# Altium PCB Core429IBaseBoardVerE.PcbDoc (part 2 of 2) (continued)
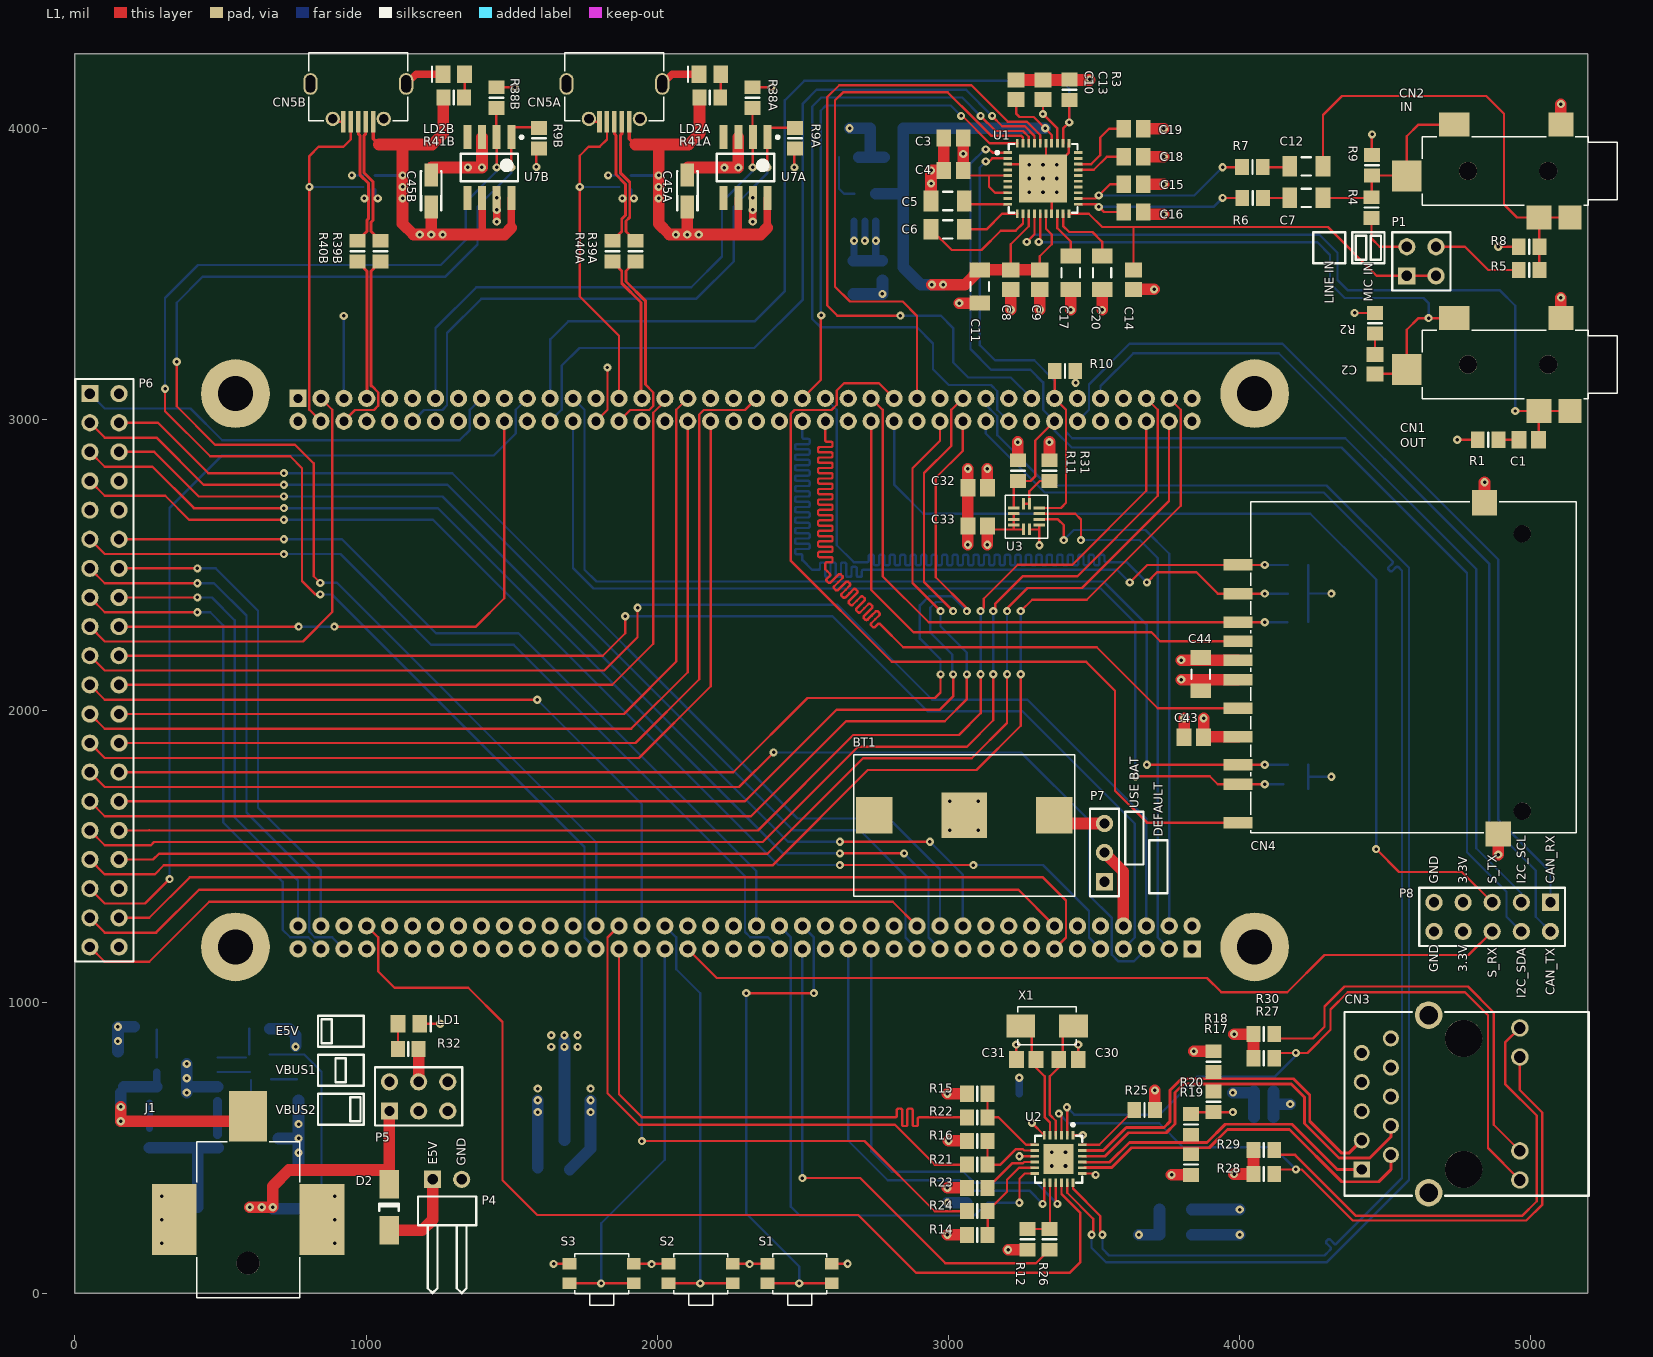
[diagram p0: L1 view]
## Nets (pads, with @x,y where several pads share a name; then routed paths per layer and width w, separated by ;. In a path a pad name is that pad's centre, name@x,y a point inside that pad or via, vN(x,y) a via of type N, cw(c..) or ccw(c..) an arc to the next point about the centre after c; other vN are vias at no path point) (continued)
PC12: CN4.5 P3.48 | length 3747.2
  L1 w8: P3.48@2576.77,2994.49 2576.77,2933.07 2576.77,2929.47 ccw(c2582.17,2929.47) 2582.17,2924.07 2596.37,2924.07 cw(c2596.37,2918.67) 2601.77,2918.67 2601.77,2911.47 cw(c2596.37,2911.47) 2596.37,2906.07 2576.77,2906.07 2557.17,2906.07 ccw(c2557.17,2900.67) 2551.77,2900.67 2551.77,2893.47 ccw(c2557.17,2893.47) 2557.17,2888.07 2576.77,2888.07 2596.37,2888.07 cw(c2596.37,2882.67) 2601.77,2882.67 2601.77,2875.47 cw(c2596.37,2875.47) 2596.37,2870.07 2576.77,2870.07 2557.17,2870.07 ccw(c2557.17,2864.67) 2551.77,2864.67 2551.77,2857.47 ccw(c2557.17,2857.47) 2557.17,2852.07 2576.77,2852.07 2596.37,2852.07 cw(c2596.37,2846.67) 2601.77,2846.67 2601.77,2839.47 cw(c2596.37,2839.47) 2596.37,2834.07 2576.77,2834.07 2557.17,2834.07 ccw(c2557.17,2828.67) 2551.77,2828.67 2551.77,2821.47 ccw(c2557.17,2821.47) 2557.17,2816.07 2576.77,2816.07 2596.37,2816.07 cw(c2596.37,2810.67) 2601.77,2810.67 2601.77,2803.47 cw(c2596.37,2803.47) 2596.37,2798.07 2576.77,2798.07 2557.17,2798.07 ccw(c2557.17,2792.67) 2551.77,2792.67 2551.77,2785.47 ccw(c2557.17,2785.47) 2557.17,2780.07 2576.77,2780.07 2596.37,2780.07 cw(c2596.37,2774.67) 2601.77,2774.67 2601.77,2767.47 cw(c2596.37,2767.47) 2596.37,2762.07 2576.77,2762.07 2557.17,2762.07 ccw(c2557.17,2756.67) 2551.77,2756.67 2551.77,2749.47 ccw(c2557.17,2749.47) 2557.17,2744.07 2576.77,2744.07 2596.37,2744.07 cw(c2596.37,2738.67) 2601.77,2738.67 2601.77,2731.47 cw(c2596.37,2731.47) 2596.37,2726.07 2576.77,2726.07 2557.17,2726.07 ccw(c2557.17,2720.67) 2551.77,2720.67 2551.77,2713.47 ccw(c2557.17,2713.47) 2557.17,2708.07 2576.77,2708.07 2596.37,2708.07 cw(c2596.37,2702.67) 2601.77,2702.67 2601.77,2695.47 cw(c2596.37,2695.47) 2596.37,2690.07 2576.77,2690.07 2557.17,2690.07 ccw(c2557.17,2684.67) 2551.77,2684.67 2551.77,2677.47 ccw(c2557.17,2677.47) 2557.17,2672.07 2576.77,2672.07 2596.37,2672.07 cw(c2596.37,2666.67) 2601.77,2666.67 2601.77,2659.47 cw(c2596.37,2659.47) 2596.37,2654.07 2576.77,2654.07 2557.17,2654.07 ccw(c2557.17,2648.67) 2551.77,2648.67 2551.77,2641.47 ccw(c2557.17,2641.47) 2557.17,2636.07 2576.77,2636.07 2596.37,2636.07 cw(c2596.37,2630.67) 2601.77,2630.67 2601.77,2623.47 cw(c2596.37,2623.47) 2596.37,2618.07 2576.77,2618.07 2557.17,2618.07 ccw(c2557.17,2612.67) 2551.77,2612.67 2551.77,2605.47 ccw(c2557.17,2605.47) 2557.17,2600.07 2576.77,2600.07 2596.37,2600.07 cw(c2596.37,2594.67) 2601.77,2594.67 2601.77,2587.47 cw(c2596.37,2587.47) 2596.37,2582.07 2576.77,2582.07 2557.17,2582.07 ccw(c2557.17,2576.67) 2551.77,2576.67 2551.77,2569.47 ccw(c2557.17,2569.47) 2557.17,2564.07 2576.77,2564.07 2596.37,2564.07 cw(c2596.37,2558.67) 2601.77,2558.67 2601.77,2551.47 cw(c2596.37,2551.47) 2596.37,2546.07 2576.77,2546.07 2557.17,2546.07 ccw(c2557.17,2540.67) 2551.77,2540.67 2551.77,2533.47 ccw(c2557.17,2533.47) 2557.17,2528.07 2576.77,2528.07 2596.37,2528.07 cw(c2596.37,2522.67) 2601.77,2522.67 2601.77,2515.47 cw(c2596.37,2515.47) 2596.37,2510.07 2582.17,2510.07 ccw(c2582.17,2504.67) 2576.77,2504.67 2576.77,2492.07 2576.77,2486.22 2583.14,2479.86 2592.05,2470.95 cw(c2588.23,2467.13) 2592.05,2463.31 2582,2453.27 ccw(c2585.82,2449.45) 2582,2445.63 2587.1,2440.54 ccw(c2590.91,2444.36) 2594.73,2440.54 2608.59,2454.4 2622.45,2468.26 cw(c2626.27,2464.44) 2630.09,2468.26 2635.18,2463.17 cw(c2631.36,2459.35) 2635.18,2455.53 2621.32,2441.67 2607.46,2427.81 ccw(c2611.28,2423.99) 2607.46,2420.18 2612.55,2415.09 ccw(c2616.37,2418.9) 2620.19,2415.09 2634.05,2428.94 2647.91,2442.8 cw(c2651.72,2438.99) 2655.54,2442.8 2660.63,2437.71 cw(c2656.82,2433.89) 2660.63,2430.08 2646.78,2416.22 2632.92,2402.36 ccw(c2636.73,2398.54) 2632.92,2394.72 2638.01,2389.63 ccw(c2641.83,2393.45) 2645.64,2389.63 2659.5,2403.49 2673.36,2417.35 cw(c2677.18,2413.53) 2681,2417.35 2686.09,2412.26 cw(c2682.27,2408.44) 2686.09,2404.62 2672.23,2390.76 2658.37,2376.9 ccw(c2662.19,2373.08) 2658.37,2369.26 2663.46,2364.17 ccw(c2667.28,2367.99) 2671.1,2364.17 2684.96,2378.03 2698.82,2391.89 cw(c2702.64,2388.07) 2706.45,2391.89 2711.55,2386.8 cw(c2707.73,2382.98) 2711.55,2379.16 2697.69,2365.3 2683.83,2351.45 ccw(c2687.65,2347.63) 2683.83,2343.81 2688.92,2338.72 ccw(c2692.74,2342.54) 2696.56,2338.72 2710.41,2352.58 2724.27,2366.44 cw(c2728.09,2362.62) 2731.91,2366.44 2737,2361.35 cw(c2733.18,2357.53) 2737,2353.71 2723.14,2339.85 2709.28,2325.99 ccw(c2713.1,2322.17) 2709.28,2318.35 2714.37,2313.26 ccw(c2718.19,2317.08) 2722.01,2313.26 2735.87,2327.12 2749.73,2340.98 cw(c2753.55,2337.16) 2757.37,2340.98 2762.46,2335.89 cw(c2758.64,2332.07) 2762.46,2328.25 2748.6,2314.39 2734.74,2300.53 ccw(c2738.56,2296.72) 2734.74,2292.9 2739.83,2287.81 ccw(c2743.65,2291.62) 2747.47,2287.81 2757.51,2297.85 cw(c2761.33,2294.03) 2765.14,2297.85 2769.68,2293.31 2844.49,2218.5 3508.92,2218.5 3718.5,2008.92 CN4.5@3994.11,2008.92
PC13: P2.10
PC14: P2.11
PC15: P2.12
PD0: P3.49
PD1: P3.50
PD2: CN4.3 P3.51 R35.1 | length 2083.1
  L1 w8: P3.51@2734.25,3073.23 2773.62,3033.86 2773.62,2462.6 2932.09,2304.13 CN4.3@3994.11,2304.13 ; CN4.3@3994.11,2304.2 v1(4085.65,2304.2)
  L4 w8: v1(4085.65,2304.2) R35.1@4164.14,2304.2
PD3: CN4.9 P3.52 | length 1911.9
  L1 w8: P3.52@2734.25,2994.49 2734.25,2415.35 2879.92,2269.69 3696.85,2269.69 3727.3,2239.24 CN4.9@3994.11,2239.24
PD4: CN4.10 P3.53 | length 3062.5
  L1 w8: P3.53@2812.99,3073.23 2761.22,3125 2640.75,3125 2616.14,3100.39 2616.14,3051.18 2598.43,3033.46 2471.46,3033.46 2458.66,3020.67 2458.66,2514.76 2805.12,2168.31 3472.44,2168.31 3571.85,2068.9 3571.85,1725.46 3681.1,1616.21 CN4.10@3994.11,1616.21
PD5: P3.54 P8.5 | length 3407.2
  L1 w8: v1(4468.5,1525.59) 4547.24,1446.85 4762.6,1446.85 P8.5@4866.93,1342.52
  L4 w8: P3.54@2812.99,2994.49 2812.99,2777.56 2913.39,2677.17 4242.13,2677.17 4468.5,2450.79 v1(4468.5,1525.59)
PD7: P3.56
PD8: P3.8
PD9: P3.9
PD10: P3.10
PD11: P3.11
PD14: P3.14
PD15: P3.15
PDR_ON: P3.74
PE0: P3.72
PE1: P3.73
PE7: P2.64
PE8: P2.63
PE9: P2.66
PE10: P2.65
PE11: P2.68
PE12: P2.67
PE13: P2.70
PE14: P2.69
PE15: P2.72
PF0: P2.16
PF1: P2.17
PF2: P2.18
PF3: P2.19
PF4: P2.20
PF5: P2.21
PF6: P2.22 P6.6 | length 3675.4
  L1 w8: P6.6@151.18,2889.37 272,2889.37 425.08,2736.28 v1(717.52,2736.28) ; v1(2626.97,1550.47) v1(2936.04,1550.47)
  L4 w8: v1(717.52,2736.28) 1262.68,2736.28 2448.49,1550.47 v1(2626.97,1550.47) ; v1(2936.04,1550.47) 3049.21,1437.3 P2.22@3049.21,1261.42
PF7: P2.23 P6.5 | length 3746.2
  L1 w8: P6.5@51.18,2889.37 102.17,2838.39 266.41,2838.39 408.51,2696.28 v1(717.52,2696.28) ; v1(2626.97,1510.47) v1(2847.44,1510.47)
  L4 w8: v1(717.52,2696.28) 1246.11,2696.28 2431.92,1510.47 v1(2626.97,1510.47) ; v1(2847.44,1510.47) 2931.1,1426.81 2931.1,1222.05 P2.23@2970.47,1182.68
PF8: P2.24 P6.4 | length 3648.8
  L1 w8: P6.4@151.18,2989.37 285.13,2989.37 458.22,2816.28 v1(717.52,2816.28)
  L4 w8: v1(717.52,2816.28) 1295.82,2816.28 2481.63,1630.47 2795.71,1630.47 2970.47,1455.71 P2.24@2970.47,1261.42
PF9: P2.25 P6.3 | length 3712.5
  L1 w8: P6.3@51.18,2989.37 102.17,2938.39 279.55,2938.39 441.65,2776.28 v1(717.52,2776.28)
  L4 w8: v1(717.52,2776.28) 1279.25,2776.28 2465.06,1590.47 2694.96,1590.47 2852.36,1433.07 2852.36,1222.05 P2.25@2891.73,1182.68
PF11: P2.55
PF12: P2.58
PF13: P2.57
PF14: P2.60
PF15: P2.59
PG0: P2.62
PG1: P2.61
PG2: P3.16
PG3: P3.17 P6.1 | length 1511.1
  L4 w8: P6.1@51.18,3089.37 102.17,3038.39 396.65,3038.39 505.91,2929.13 1320.87,2929.13 1356.3,2964.57 1356.3,3033.86 P3.17@1395.67,3073.23
PG4: P3.18
PG5: P3.19
PG8: P3.22
PG9: P3.57
PG13: P3.61 U2.17 | length 5308.6
  L1 w8: U2.17@3407.48,378.94 3407.48,345.05 3497.05,255.49 v1@3497.05,206.69
  L4 w8: P3.61@3126.68,3051.88 3167.18,3011.37 3167.18,2946.99 3340.17,2774 4298.33,2774 4581.09,2491.23 4581.09,389.05 4297.97,105.92 3541.24,105.92 3491.14,156.02 v1(3491.14,200.79)
PG14: P3.62 U2.18 | length 5260.1
  L1 w8: U2.18@3427.17,378.94 3427.17,359.31 3521.05,265.43 v1@3521.05,208.28
  L4 w8: P3.62@3127.95,2994.49 3127.95,2952.28 3330.23,2750 4288.39,2750 4523.13,2515.26 4524.33,2514.05 cw(c4520.52,2510.23) 4524.33,2506.42 4510.76,2492.84 ccw(c4514.58,2489.02) 4510.76,2485.2 4515.85,2480.11 ccw(c4519.67,2483.93) 4523.49,2480.11 4537.06,2493.69 cw(c4540.88,2489.87) 4544.7,2493.69 4547.24,2491.14 4557.09,2481.29 4557.09,395.68 4330.71,169.29 cw(c4328.15,171.85) 4325.59,169.29 4310.75,184.12 ccw(c4306.93,180.31) 4303.12,184.12 4298.02,179.03 ccw(c4301.84,175.21) 4298.02,171.4 4311.6,157.82 cw(c4307.78,154) 4311.6,150.18 4309.06,147.64 4291.34,129.92 3551.18,129.92 3528.54,152.56 v1(3528.54,200.79)
PG15: P3.63
PH0: P2.27
PH1: P2.28
PH4: P2.43
PH5: P2.46
PH6: P2.73
PH7: P2.76
PH13: P3.34
PI3: P3.43
PI11: P2.15
RD_N: CN3.4 R17.1 U2.22 | length 1451.4
  L1 w10: U2.22@3459.65,470.47 3537.27,470.47 3617.98,551.18 3747.61,551.18 3777.84,581.41 3777.84,688.98 3807.37,718.5 4177.03,718.5 4222.44,673.09 4222.44,583.1 4341.25,464.28 4446.43,464.28 4518.94,536.79 CN3.4@4518.94,575.12
RD_P: CN3.3 R18.1 U2.23 | length 1300.1
  L1 w10: U2.23@3459.65,490.16 3531.5,490.16 3610.52,569.18 3740.16,569.18 3759.84,588.87 3759.84,696.43 3799.91,736.5 4184.49,736.5 4240.44,680.55 4240.44,590.55 4348.71,482.28 4376.1,482.28 CN3.3@4418.94,525.12
TD_N: CN3.2 R19.1 U2.20 | length 1250.7
  L1 w10: U2.20@3464.57,431.94 3560.61,431.94 3628.38,499.72 3895.25,499.72 3957.85,562.31 4170.99,562.31 4350.53,382.78 4477.26,382.78 4518.94,424.45 CN3.2@4518.94,475.12
TD_P: CN3.1 R20.1 U2.21 | length 1072.7
  L1 w10: U2.21@3464.57,449.94 3553.15,449.94 3620.92,517.72 3887.8,517.72 3950.39,580.31 4179.41,580.31 4334.61,425.12 CN3.1@4418.94,425.12
USB_FSA_N: CN5A.2 D3A.1 R39A.1 | length 477.3
  L1 w10: CN5A.2@1878.09,4023.1 1878.09,3981.68 1872.8,3976.39 1872.8,3847.89 1905.08,3815.61 1905.08,3694.89 1892.8,3682.61 1892.8,3646.66 R39A.1@1925.3,3614.16
  L4 w10: D3A.1@1909.76,3790.1 1909.76,3769.37 v1(1919.29,3759.84)
USB_FSA_P: CN5A.3 D3A.2 R40A.1 | length 477.5
  L1 w10: R40A.1@1845.3,3614.16 1877.8,3646.66 1877.8,3688.82 1890.08,3701.1 1890.08,3809.39 1857.8,3841.67 1857.8,3976.39 1852.5,3981.68 CN5A.3@1852.5,4023.1
  L4 w10: v1(1879.92,3759.84) 1890.08,3770 D3A.2@1890.08,3790.1
USB_FSB_N: CN5B.2 D3B.1 R39B.1 | length 474
  L1 w10: CN5B.2@998.57,4023.1 998.57,3981.68 993.27,3976.39 993.27,3847.56 1023.62,3817.21 1023.62,3684.73 1017.33,3678.44 1017.33,3646.66 R39B.1@1049.83,3614.16
  L4 w10: D3B.1@1030.24,3790.1 1030.24,3769.37 v1(1039.76,3759.84)
USB_FSB_P: CN5B.3 D3B.2 R40B.1 | length 473.3
  L1 w10: R40B.1@969.83,3614.16 1002.33,3646.66 1002.33,3684.65 1008.62,3690.94 1008.62,3811 978.27,3841.35 978.27,3976.39 972.98,3981.68 CN5B.3@972.98,4023.1
  L4 w10: v1@1001.02,3760.47 1010.55,3770 D3B.2@1010.55,3790.1
  other v1: 994.09,3759.84
VBAT: P2.8 P7.2 | length 278.9
  L1 w40: P7.2@3535.43,1513.39 3600.39,1448.43 P2.8@3600.39,1261.42
VREF+: P2.34
pads on no net: CN1. CN2. CN3.7 CN3.8 CN3.9 CN3.10 CN3.MH1 CN3.MH2 CN4. D3A.5 D3B.5 J1. P6.9 P6.10 P6.36 U1.4 U1.6 U1.7 U1.9 U1.23 U1.24 U1.25 U1.26 U1.29 U1.30 U7A.4 U7A.5 U7B.4 U7B.5

## Polygon pours and split planes (outlines as drawn)
DGND on L2 (split plane): 5174.39,20.1 20.1,20.1 20.1,4235.81 5174.39,4235.81
OTG_FS_VBUS1 on L3 (split plane): 2194.41,3153.06 689.54,3153.06 688,3152.75 686.7,3151.88 685.83,3150.58 685.52,3149.04 685.52,1106.72 685.83,1105.18 686.7,1103.88 688,1103.01 689.54,1102.71 1524.89,1102.71 1524.89,482.92 1134.5,482.92 1134.5,676.09 1226.36,676.09 1226.36,571.11 1226.67,569.58 1227.54,568.28 1228.84,567.41 1230.37,567.1 1426.92,567.1 1428.45,567.41 1429.76,568.28 1430.63,569.58 1430.93,571.11 1430.93,994.09 1430.63,995.63 1429.76,996.93 1428.45,997.8 1426.92,998.11 397.71,998.11 397.71,3322.76 1726.52,3322.76 1728.06,3323.06 1729.36,3323.93 1730.23,3325.24 1730.53,3326.77 1730.53,3903.47 2194.41,3903.47
OTG_FS_VBUS2 on L3 (split plane): 1314.35,3330.79 393.7,3330.79 392.16,3330.48 390.86,3329.61 389.99,3328.31 389.69,3326.77 389.69,994.09 389.99,992.56 390.86,991.26 392.16,990.39 393.7,990.08 1422.9,990.08 1422.9,575.13 1234.39,575.13 1234.39,676.09 1329.73,676.09 1331.27,676.39 1332.57,677.26 1333.44,678.56 1333.74,680.1 1333.74,877.95 1333.44,879.49 1332.57,880.79 1331.27,881.66 1329.73,881.97 279.6,881.97 279.6,3506.81 846.46,3506.81 847.99,3507.12 849.3,3507.99 850.17,3509.29 850.47,3510.83 850.47,3903.47 1314.35,3903.47
NetC21_2 on L3 (split plane): 4572.76,248.11 3409.53,248.11 3409.53,956.62 4572.76,956.62
5V on L3 (split plane): 2882.8,3337.6 2883.1,3336.06 2883.97,3334.76 2885.28,3333.89 2886.81,3333.58 3944.81,3333.58 3944.81,2956.77 3801.26,2956.77 3801.26,3149.04 3800.95,3150.58 3800.08,3151.88 3798.78,3152.75 3797.24,3153.06 2202.44,3153.06 2202.44,3907.48 2202.13,3909.02 2201.26,3910.32 2199.96,3911.19 2198.43,3911.49 1726.52,3911.49 1724.98,3911.19 1723.68,3910.32 1722.81,3909.02 1722.51,3907.48 1722.51,3330.79 1322.38,3330.79 1322.38,3907.48 1322.07,3909.02 1321.2,3910.32 1319.9,3911.19 1318.36,3911.49 846.46,3911.49 844.92,3911.19 843.62,3910.32 842.75,3909.02 842.44,3907.48 842.44,3514.84 275.59,3514.84 274.05,3514.54 272.75,3513.67 271.88,3512.36 271.58,3510.83 271.58,877.95 271.88,876.42 272.75,875.11 274.05,874.24 275.59,873.94 1325.72,873.94 1325.72,684.12 1130.49,684.12 1128.95,683.81 1127.65,682.94 1126.78,681.64 1126.47,680.1 1126.47,478.9 1126.78,477.37 1127.65,476.07 1128.95,475.2 1130.49,474.89 1528.65,474.89 1528.97,474.83 1530.53,475.14 1531.85,476.02 1532.74,477.34 1533.05,478.9 1533.05,748.94 1620,748.94 1620,20.1 20.1,20.1 20.1,4081.62 2882.8,4081.62
3.3V on L3 (split plane): 5174.39,20.1 1628.03,20.1 1628.03,752.95 1627.72,754.49 1626.85,755.79 1625.55,756.66 1624.02,756.97 1533.05,756.97 1533.05,1106.72 1532.74,1108.28 1531.85,1109.6 1530.53,1110.49 1528.97,1110.8 1528.65,1110.74 693.55,1110.74 693.55,3145.03 3793.23,3145.03 3793.23,2952.76 3793.54,2951.22 3794.41,2949.92 3795.71,2949.05 3797.24,2948.74 3948.82,2948.74 3950.36,2949.05 3951.66,2949.92 3952.53,2951.22 3952.84,2952.76 3952.84,3337.6 3952.53,3339.13 3951.66,3340.44 3950.36,3341.31 3948.82,3341.61 2890.83,3341.61 2890.83,4085.62 2890.83,4085.63 2890.52,4087.17 2889.65,4088.47 2888.35,4089.34 2886.81,4089.64 20.1,4089.64 20.1,4235.81 5174.39,4235.81

## Other copper
L3 (plane layer: these items are gaps in the copper):
  lines w7.87: 0,4085.63 2886.81,4085.63 ; 1318.36,3326.77 1318.36,3907.48 846.46,3907.48 846.46,3510.83 275.59,3510.83 275.59,877.95 1329.73,877.95 1329.73,680.1 1230.37,680.1 ; 1528.97,478.9 1130.49,478.9 1130.49,680.1 1230.37,680.1 ; 1528.97,752.95 1624.02,752.95 1624.02,0 ; 1528.97,1106.72 689.54,1106.72 689.54,3149.04 2198.43,3149.04 ; 1230.37,680.1 1230.37,571.11 1426.92,571.11 1426.92,994.09 393.7,994.09 393.7,3326.77 1726.52,3326.77 1726.52,3907.48 2198.43,3907.48 2198.43,3149.04 ; 2198.43,3149.04 3797.24,3149.04 3797.24,2952.76 3948.82,2952.76 3948.82,3337.6 2886.81,3337.6 2886.81,4085.63 ; 2886.81,4085.63 2886.81,4085.63 ; 3405.51,244.09 4576.77,244.09 4576.77,960.63 3405.51,960.63 3405.51,244.09
  lines w8: 1528.97,478.9 1528.97,1106.72

## Silkscreen, mask and mechanical layers (free items; w line width, h text height)
Top Overlay:
  lines w8: 834.65,578.74 834.65,685.04 992.13,685.04 992.13,578.74 834.65,578.74 ; 834.65,712.6 992.13,712.6 992.13,818.9 834.65,818.9 834.65,712.6 ; 834.65,846.46 992.13,846.46 992.13,952.76 834.65,952.76 834.65,846.46 ; 846.46,858.27 846.46,940.94 881.89,940.94 881.89,858.27 846.46,858.27 ; 894.69,724.41 894.69,807.09 930.12,807.09 930.12,724.41 894.69,724.41 ; 944.88,590.55 944.88,673.23 980.31,673.23 980.31,590.55 944.88,590.55 ; 3606.3,1472.44 3606.3,1653.54 3669.29,1653.54 3669.29,1472.44 3606.3,1472.44 ; 3688.98,1374.02 3688.98,1555.12 3751.97,1555.12 3751.97,1374.02 3688.98,1374.02 ; 4251.97,3537.4 4362.2,3537.4 4362.2,3643.7 4251.97,3643.7 4251.97,3537.4 ; 4386.81,3537.4 4497.05,3537.4 4497.05,3643.7 4386.81,3643.7 4386.81,3537.4 ; 4398.62,3549.21 4434.06,3549.21 4434.06,3631.89 4398.62,3631.89 4398.62,3549.21 ; 4449.8,3549.21 4449.8,3631.89 4485.24,3631.89 4485.24,3549.21 4449.8,3549.21
  text "MIC IN" at 4456.69,3405.51 h30 r90
  text "LINE IN" at 4322.83,3397.64 h30 r90
  text "USE BAT" at 3653.54,1665.35 h30 r90
  text "DEFAULT" at 3736.22,1566.93 h30 r90
  text "GND" at 4681.89,1405.51 h30 r90
  text "3.3V" at 4781.89,1405.51 h30 r90
  text "S_TX" at 4881.89,1405.51 h30 r90
  text "I2C_SCL" at 4981.89,1405.51 h30 r90
  text "CAN_RX" at 5081.89,1405.51 h30 r90
  text "GND" at 4681.89,1102.36 h30 r90
  text "3.3V" at 4781.89,1102.36 h30 r90
  text "S_RX" at 4881.89,1082.68 h30 r90
  text "CAN_TX" at 5081.89,1023.62 h30 r90
  text "I2C_SDA" at 4981.89,1013.78 h30 r90
  text "E5V" at 688.98,885.83 h30
  text "VBUS1" at 688.98,751.97 h30
  text "VBUS2" at 688.98,614.17 h30
  text "E5V" at 1244.09,440.94 h30 r90
  text "GND" at 1342.52,437.01 h30 r90
Bottom Overlay:
  circle w20: c3797.24,1458.27 r39.37
Drill Guide:
  lines w7.87: 773.61,4188.02 808.61,4153.02 ; 808.61,4498.02 808.61,4153.02 ; 843.61,4188.02 808.61,4153.02 ; 1102.35,4188.02 1137.35,4153.02 ; 1137.35,4498.02 1137.35,4153.02 ; 1172.35,4188.02 1137.35,4153.02 ; 1653.13,4188.02 1688.13,4153.02 ; 1688.13,4498.02 1688.13,4153.02 ; 1723.13,4188.02 1688.13,4153.02 ; 1981.87,4188.02 2016.87,4153.02 ; 2016.87,4498.02 2016.87,4153.02 ; 2051.87,4188.02 2016.87,4153.02
  text "manual oval cut" at 778.61,5177.12 h60 r270
  text "manual oval cut" at 1107.35,5177.12 h60 r270
  text "manual oval cut" at 1658.13,5177.12 h60 r270
  text "manual oval cut" at 1986.87,5177.12 h60 r270
Board Outline:
  the board outline again, w39.37
PCB Info:
  drawing of 295 lines, arcs and shapes, not listed
  text "Layer" at 6041.91,4131.97 h60
  text "Name" at 6451.82,4131.97 h60
  text "Material" at 7381.57,4131.97 h60
  text "Thickness" at 8241.33,4131.97 h60
  text "Constant" at 8891.17,4131.97 h60
  text "Board Layer Stack" at 9461.03,4131.97 h60
  text "1" at 6041.91,4011.97 h60
  text "Top Overlay" at 6451.82,4011.97 h60
  text "2" at 6041.91,3891.97 h60
  text "Top Solder" at 6451.82,3891.97 h60
  text "Solder Resist" at 7381.57,3891.97 h60
  text "0,013mm" at 8241.33,3891.97 h60
  text "3,8" at 8891.17,3891.97 h60
  text "3" at 6041.91,3771.97 h60
  text "L1" at 6451.82,3771.97 h60
  text "Copper" at 7381.57,3771.97 h60
  text "0,036mm" at 8241.33,3771.97 h60
  text "4" at 6041.91,3651.97 h60
  text "Dielectric1" at 6451.82,3651.97 h60
  text "FR-4" at 7381.57,3651.97 h60
  text "0,231mm" at 8241.33,3651.97 h60
  text "4,6" at 8891.17,3651.97 h60
  text "5" at 6041.91,3531.97 h60
  text "L2" at 6451.82,3531.97 h60
  text "Copper" at 7381.57,3531.97 h60
  text "0,018mm" at 8241.33,3531.97 h60
  text "6" at 6041.91,3411.97 h60
  text "Dielectric2" at 6451.82,3411.97 h60
  text "FR-4" at 7381.57,3411.97 h60
  text "1,067mm" at 8241.33,3411.97 h60
  text "4,2" at 8891.17,3411.97 h60
  text "7" at 6041.91,3291.97 h60
  text "L3" at 6451.82,3291.97 h60
  text "Copper" at 7381.57,3291.97 h60
  text "0,018mm" at 8241.33,3291.97 h60
  text "8" at 6041.91,3171.97 h60
  text "Dielectric3" at 6451.82,3171.97 h60
  text "FR-4" at 7381.57,3171.97 h60
  text "0,231mm" at 8241.33,3171.97 h60
  text "4,6" at 8891.17,3171.97 h60
  text "9" at 6041.91,3051.97 h60
  text "L4" at 6451.82,3051.97 h60
  text "Copper" at 7381.57,3051.97 h60
  text "0,036mm" at 8241.33,3051.97 h60
  text "10" at 6041.91,2931.97 h60
  text "Bottom Solder" at 6451.82,2931.97 h60
  text "Solder Resist" at 7381.57,2931.97 h60
  text "0,013mm" at 8241.33,2931.97 h60
  text "3,8" at 8891.17,2931.97 h60
  text "11" at 6041.91,2811.97 h60
  text "Bottom Overlay" at 6451.82,2811.97 h60

## Dimensions
0,0 to 5194.49,0 on Board Outline
5194.49,4255.91 to 5194.49,0 on Board Outline